# Altium PCB UmTRXv21.PcbDoc (part 3 of 19) (continued)
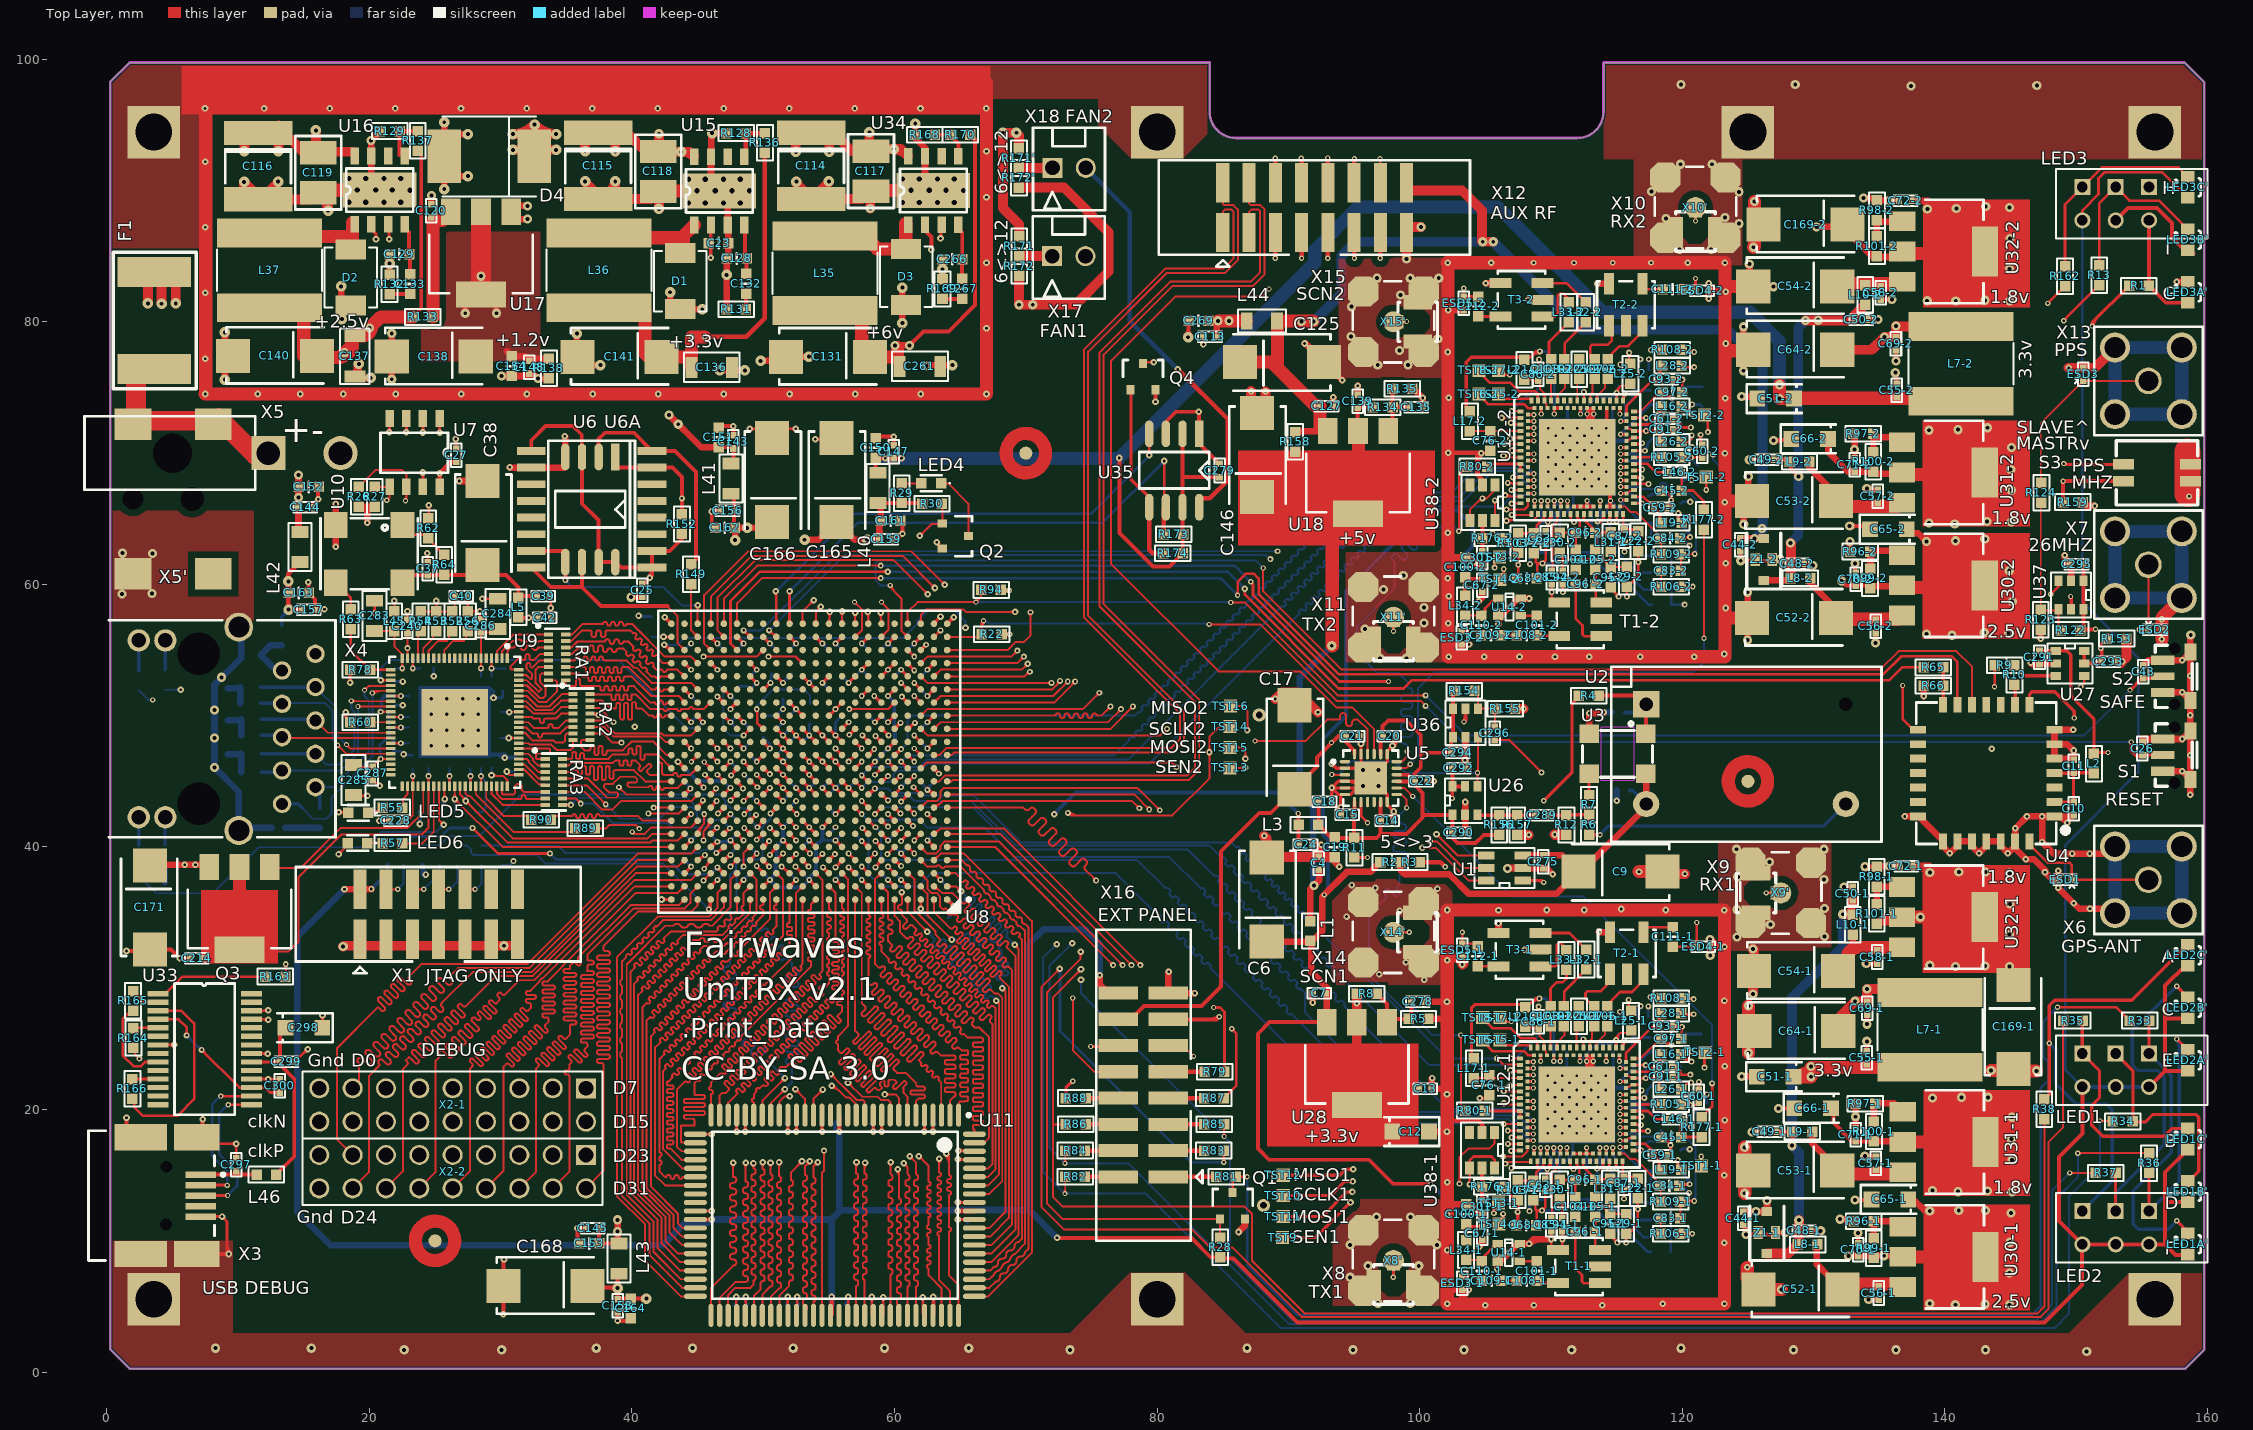
[diagram p0: Top Layer view]
## Nets (pads, with @x,y where several pads share a name; then routed paths per layer and width w, separated by ;. In a path a pad name is that pad's centre, name@x,y a point inside that pad or via, vN(x,y) a via of type N, cw(c..) or ccw(c..) an arc to the next point about the centre after c; other vN are vias at no path point) (continued)
  Bottom Layer w0.2: v2@43.5,46.35 cw(c43.5,45.988) 43.756,46.244 cw(c44.012,46.5) v2@43.65,46.5 ; v2(43.5,46.5) C212.2@44,46 ; C185.2@44,39 v1(44.5,38.5) ; C209.2@44,42 v1(44.5,42.5) ; C186.2@44,54 v1(44.5,53.5) ; v1@44.375,38.5 ccw(c44.073,38.5) 44.287,38.713 ccw(c44.5,38.927) v1@44.5,38.625 ; v1@44.375,42.5 cw(c44.073,42.5) 44.287,42.287 cw(c44.5,42.073) v1@44.5,42.375 ; v1@44.375,53.5 ccw(c44.073,53.5) 44.287,53.713 ccw(c44.5,53.927) v1@44.5,53.625 ; v1(44.5,49.5) C211.2@45,50 ; v1@44.5,49.625 ccw(c44.5,49.927) 44.713,49.713 ccw(c44.927,49.5) v1@44.625,49.5 ; C208.2@46,40.9 v1(46.5,40.4) v1@46.5,40.5 ; v1@46.375,40.4 ccw(c46.073,40.4) 46.286,40.613 ccw(c46.5,40.827) v1@46.5,40.525 ; v1(46.5,37.5) C176.2@47,38 ; v1@46.5,37.625 ccw(c46.5,37.927) 46.713,37.713 ccw(c46.927,37.5) v1@46.625,37.5 ; C210.2@47,45 v1(47.5,44.5) ; C213.2@47,48 v1(47.5,47.5) ; v1@47.375,44.5 ccw(c47.073,44.5) 47.287,44.713 ccw(c47.5,44.927) v1@47.5,44.625 ; v1@47.375,47.5 ccw(c47.073,47.5) 47.287,47.713 ccw(c47.5,47.927) v1@47.5,47.625 ; v1(47.5,40.5) C184.2@48,41 ; v1@47.5,40.625 ccw(c47.5,40.927) 47.713,40.713 ccw(c47.927,40.5) v1@47.625,40.5 ; v1@47.5,51.375 cw(c47.5,51.073) 47.713,51.287 cw(c47.927,51.5) v1@47.625,51.5 ; v1(47.5,51.5) C177.2@48,51 ; v1@48.5,46.375 cw(c48.5,46.073) 48.713,46.287 cw(c48.927,46.5) v1@48.625,46.5 ; v1(48.5,46.5) C172.2@49,46 ; C187.2@50,38 v1(50.5,37.5) ; v1@50.375,37.5 ccw(c50.073,37.5) 50.287,37.713 ccw(c50.5,37.927) v1@50.5,37.625 ; v1@51.5,40.375 cw(c51.5,40.073) 51.713,40.287 cw(c51.927,40.5) v1@51.625,40.5 ; v1(51.5,40.5) C183.2@52,40 ; v1(51.5,41.5) C206.2@52,42 ; v1@51.5,41.625 ccw(c51.5,41.927) 51.713,41.713 ccw(c51.927,41.5) v1@51.625,41.5 ; C188.2@53,38 v1(53.5,37.5) ; v1@53.375,37.5 ccw(c53.073,37.5) 53.287,37.713 ccw(c53.5,37.927) v1@53.5,37.625 ; 54.5,40.575 54.575,40.5 v1(55.5,40.5) C204.2@56,41 ; v1(54.5,41.5) C182.2@55,42 ; v1@54.5,41.625 ccw(c54.5,41.927) 54.713,41.713 ccw(c54.927,41.5) v1@54.625,41.5 ; v1@55.412,40.412 ccw(c55.198,40.198) 55.198,40.5 ccw(c55.198,40.802) v1@55.412,40.588 ; v1@55.5,40.625 ccw(c55.5,40.927) 55.713,40.713 ccw(c55.927,40.5) v1@55.625,40.5 ; C189.2@57,38 v1(57.5,37.5) ; v1@57.375,37.5 ccw(c57.073,37.5) 57.287,37.713 ccw(c57.5,37.927) v1@57.5,37.625 ; v1(58.5,46.5) C175.2@59,47 v1(59.5,47.5) ; v1@58.5,46.625 ccw(c58.5,46.927) 58.713,46.713 ccw(c58.927,46.5) v1@58.625,46.5 ; v1@59.375,47.5 cw(c59.073,47.5) 59.287,47.287 cw(c59.5,47.073) v1@59.5,47.375 ; v1(59.5,40.5) C193.2@60,41 ; v1@59.5,40.625 ccw(c59.5,40.927) 59.713,40.713 ccw(c59.927,40.5) v1@59.625,40.5 ; v1(59.5,51.5) C178.2@60,52 ; v1@59.5,51.625 ccw(c59.5,51.927) 59.713,51.713 ccw(c59.927,51.5) v1@59.625,51.5 ; C190.2@60,38 v1(60.5,37.5) ; v1@60.375,37.5 ccw(c60.073,37.5) 60.287,37.713 ccw(c60.5,37.927) v1@60.5,37.625 ; v1(60.5,40.45) 60.5,40.5 C181.2@61,41 ; v1@60.5,44.5 v1(60.5,44.55) C205.2@61,45.05 ; v1@60.5,44.675 ccw(c60.5,44.977) 60.713,44.763 ccw(c60.927,44.55) v1@60.625,44.55 ; v1@60.625,40.45 cw(c61.047,40.45) 60.749,40.749 ; C192.2@62,49 v1(62.5,49.5) ; C207.2@62,53 v1(62.5,53.5) ; v1@62.375,49.5 cw(c62.073,49.5) 62.287,49.287 cw(c62.5,49.073) v1@62.5,49.375 ; v1@62.375,53.5 cw(c62.073,53.5) 62.287,53.287 cw(c62.5,53.073) v1@62.5,53.375 ; v1@62.5,42.375 cw(c62.5,42.073) 62.714,42.286 ; v1(62.5,42.5) C180.2@63,42 ; v1@62.625,42.5 ccw(c62.926,42.5) 62.713,42.287 ; C179.2@62.9,46.05 63.373,45.577 v1(63.378,45.577) ; C179.2@63.156,45.794 ccw(c63.378,46.017) v1@63.378,45.702 ; C179.2@63.168,45.782 cw(c62.964,45.577) v1@63.253,45.577 ; v1@63.5,37.375 cw(c63.5,37.073) 63.713,37.287 cw(c63.927,37.5) v1@63.625,37.5 ; v1(63.5,37.5) C191.2@64,37
  Bottom Layer w0.3: C212.2@44,46 44.975,45.025 46.975,45.025 C210.2@47,45 ; v1(46.5,40.4) 47.4,40.4 v1(47.5,40.5) ; 47.077,40.4 ccw(c47.077,40.923) v1@47.447,40.553 ; v1(51.5,41.5) v1(51.5,40.5) 51.025,40.025 51.025,38.797 50.925,38.697 50.925,37.925 v1(50.5,37.5) 51.1,36.9 52.9,36.9 v1(53.5,37.5) ; v1@53.5,37.65 54.025,38.175 54.025,40.1 54.5,40.575 v1(54.5,41.5) ; v1@53.575,37.5 cw(c54.118,37.5) 53.734,37.884 ; v1(59.5,47.5) 60.025,48.025 60.025,48.697 59.975,48.747 59.975,51.025 v1(59.5,51.5) ; v2(72.15,42.5) 73.8,44.15 89.15,44.15 v4(90.75,42.55)
+2,5VLMS-1: C65-1.1 C68-1.1 C70-1.1 L13-1.1 R99-1.2 R103-1.1 R176-1.1 U12-1.66 U12-1.76 U30-1.2 | length 77.7
  Top Layer w0.2: C68-1.1@107.357,11.188 C68-1.1@107.461,11.292 ; v4(115.257,18.638) U12-1.66@115.707,18.638 ; v4(115.257,21.138) U12-1.76@115.707,21.138 ; v4@115.328,18.567 cw(c115.498,18.397) 115.498,18.638 cw(c115.498,18.879) v4@115.328,18.709 ; v4@115.328,21.067 cw(c115.498,20.897) 115.498,21.138 cw(c115.498,21.379) v4@115.328,21.209
  Top Layer w0.25: R176-1.1@106.25,14.125 107.267,13.108 R103-1.1@107.461,13.108 v1(107.461,12.208) C68-1.1@107.461,11.292 ; v1@107.39,12.138 cw(c107.22,11.967) 107.461,11.967 cw(c107.702,11.967) v1@107.532,12.138 ; v1@107.39,12.279 ccw(c107.22,12.45) 107.461,12.45 ccw(c107.702,12.45) v1@107.532,12.279
  Top Layer w0.3: C70-1.1@133.4,8.9 R99-1.2@134.308,8.9
  Top Layer w0.5: v3@132.65,8.866 v3(135.35,8.866) 136.705,8.866 U30-1.2@136.79,8.781 ; C65-1.1@137.2,13.1 137.65,13.1 138.35,12.4 ccw(c138.592,12.642) v3@138.788,12.362 ; 138.034,12.716 ccw(c138.846,13.528) v3@138.846,12.38 ; U30-1.2@143.09,8.781 U30-1.2@143.952,8.781 ; v3@144.931,9.995 cw(c144.702,11.031) 143.952,10.281 144.271,9.962 145.174,9.059 cw(c145.663,9.548) v3@145.043,9.853
  Top Layer w1: U30-1.2@136.79,8.781 U30-1.2@143.09,8.781
  Mid-Layer 2 w0.2: v4(115.257,18.638) 115.962,18.638 115.987,18.613 ; v4(115.257,21.138) 115.26,21.135 115.71,21.135 115.987,20.858 115.987,18.613 ; v4@115.328,18.567 cw(c115.498,18.397) 115.498,18.638 cw(c115.498,18.879) v4@115.328,18.709 ; v4@115.328,21.067 cw(c115.491,20.904) 115.491,21.135 ; v4@115.328,21.209 ccw(c115.506,21.387) 115.506,21.135 ; 117.8,11.53 117.808,11.538 117.808,16.792 115.987,18.613
  Mid-Layer 2 w0.25: v4(120.625,21.175) 121.111,20.689 121.111,17.914 122.55,16.475 122.55,11.53
  Mid-Layer 2 w0.5: v1(107.461,12.208) 108.139,11.53 117.8,11.53 122.545,11.53 ; 122.55,11.53 122.545,11.53 ; v3@135.4,8.85 v3(132.65,8.85) 125.225,8.85 122.545,11.53
  Bottom Layer w0.25: L13-1.1@119.907,20.988 120.094,21.175 v4(120.625,21.175)
  other v3: 140.795,5.133 144.91,5.133 143.047,5.176 138.846,5.22 144.91,7.559 144.953,9.898 145.025,12.125 138.846,12.28 141.055,12.323 143.09,12.323
+2,5VLMS-2: C65-2.1 C68-2.1 C70-2.1 L13-2.1 R99-2.2 R103-2.1 R176-2.1 U12-2.66 U12-2.76 U30-2.2 | length 73.5
  Top Layer w0.2: R176-2.1@106.275,63.525 106.375,63.525 R103-2.1@107.5,62.4 v1(107.5,61.5) 107.5,60.584 C68-2.1@107.396,60.48 ; v1@107.412,61.412 cw(c107.198,61.198) 107.5,61.198 cw(c107.802,61.198) v1@107.588,61.412 ; v1@107.412,61.588 ccw(c107.198,61.802) 107.5,61.802 ccw(c107.802,61.802) v1@107.588,61.588 ; v4(115.296,67.93) U12-2.66@115.746,67.93 ; v4(115.296,70.43) U12-2.76@115.746,70.43 ; v4@115.367,67.859 cw(c115.537,67.688) 115.537,67.93 cw(c115.537,68.171) v4@115.367,68.001 ; v4@115.367,70.359 cw(c115.537,70.188) 115.537,70.43 cw(c115.537,70.671) v4@115.367,70.501
  Top Layer w0.3: v3@132.125,60.075 cw(c132.125,59.592) 132.466,59.934 cw(c132.808,60.275) v3@132.325,60.275 ; v3(132.125,60.275) 132.489,59.911 134.3,59.911 R99-2.2@134.534,59.911
  Top Layer w0.5: R99-2.2@134.334,59.861 136.455,59.861 U30-2.2@136.54,59.776 ; C65-2.1@137.1,64.2 137.4,63.9 137.971,63.9 v3(138.596,63.275) ; U30-2.2@143.04,59.926 143.902,59.926 v3(145.124,58.704)
  Top Layer w1: U30-2.2@136.54,59.776 U30-2.2@142.84,59.776
  Mid-Layer 2 w0.2: v4(115.296,67.93) 116.119,67.93 116.129,67.94 ; v4(115.296,70.43) 115.945,70.43 116.129,70.246 116.129,67.94 ; v4@115.367,67.859 cw(c115.537,67.688) 115.537,67.93 cw(c115.537,68.171) v4@115.367,68.001 ; v4@115.367,70.359 cw(c115.537,70.188) 115.537,70.43 cw(c115.537,70.671) v4@115.367,70.501 ; 117.646,60.822 117.62,60.848 117.62,66.449 116.129,67.94
  Mid-Layer 2 w0.25: v1@120.75,70.35 cw(c120.75,70.109) 120.921,70.279 cw(c121.091,70.45) v1@120.85,70.45 ; v1(120.75,70.45) 121.237,69.963 121.237,64.588 121.645,64.18 121.645,60.822
  Mid-Layer 2 w0.5: v1@107.475,61.5 ccw(c108.318,61.5) 107.722,60.904 ; v1@107.481,61.516 ccw(c107.706,61.331) 107.5,61.126 ; v1(107.5,61.5) 107.5,61.126 ; v3@132.125,60.3 132.1,60.3 122.167,60.3 121.645,60.822 117.646,60.822 107.804,60.822 107.5,61.126
  Mid-Layer 2 w0.7: v3@132.1,60.3 v3(132.125,60.275)
  Bottom Layer w0.25: L13-2.1@119.946,70.28 120.58,70.28 v1(120.75,70.45) ; L13-2.1@120.098,70.28 ccw(c120.098,71.102) v1@120.679,70.521
  other v3: 140.545,56.129 138.596,56.215 144.86,56.279 142.997,56.322 144.903,61.043 140.805,63.319 143.04,63.469
+2,5VRAM: C158.1 C164.1 C168.1 C215.2 C216.2 C217.2 C218.2 C219.2 C220.2 C221.2 C222.2 L43.2 U11.4 U11.11 U11.20 U11.27 U11.54 U11.61 U11.70 U11.77 U11.97 | length 35.5
  Top Layer w0.2: v2@47.844,5.644 cw(c47.588,5.388) 47.95,5.388 cw(c48.312,5.388) v2@48.056,5.644 ; v2@47.869,18.431 ccw(c47.613,18.687) 47.975,18.687 ccw(c48.337,18.687) v2@48.081,18.431 ; v2(47.95,5.75) 47.95,4.35 U11.54@47.975,4.325 ; v2(47.975,18.325) U11.27@47.975,19.575 ; v2@52.419,18.431 ccw(c52.163,18.687) 52.525,18.687 ccw(c52.887,18.687) v2@52.631,18.431 ; v2@52.469,5.644 cw(c52.213,5.388) 52.575,5.388 cw(c52.937,5.388) v2@52.681,5.644 ; U11.61@52.525,4.325 52.575,4.375 v2(52.575,5.75) ; v2(52.525,18.325) U11.20@52.525,19.575 ; v2@58.169,5.619 cw(c57.913,5.363) 58.275,5.363 cw(c58.637,5.363) v2@58.381,5.619 ; v2@58.269,18.431 ccw(c58.013,18.687) 58.375,18.687 ccw(c58.737,18.687) v2@58.481,18.431 ; v2(58.275,5.725) 58.275,4.425 U11.70@58.375,4.325 ; v2(58.375,18.325) U11.11@58.375,19.575 ; v2@62.819,18.431 ccw(c62.563,18.687) 62.925,18.687 ccw(c63.287,18.687) v2@63.031,18.431 ; v2(62.925,18.325) U11.4@62.925,19.575 ; v2(64.825,16.2) U11.97@66.075,16.2 ; v2@64.931,16.094 cw(c65.187,15.838) 65.187,16.2 cw(c65.187,16.562) v2@64.931,16.306
  Top Layer w0.3: C168.1@36.6,6.55 36.7,6.45 v5@38.9,6.45 ; 38.176,6.45 cw(c38.176,5.676) 38.723,6.223 cw(c38.296,5.796) 38.9,5.796 cw(c39.504,5.796) v5@39.077,6.223 ; 38.417,6.45 ccw(c38.417,6.883) 38.723,6.577 ccw(c38.296,7.004) 38.9,7.004 ccw(c39.504,7.004) v5@39.077,6.577 ; L43.2@39,7.5 38.9,7.4 C158.1@38.9,5.55 38.95,5.6 C164.1@39.9,5.6 40,5.6 v5(41.1,5.6) ; v5@40.923,5.423 ccw(c40.496,4.996) 40.496,5.6 ccw(c40.496,6.204) v5@40.923,5.777 ; U11.77@62.95,4.5 v2(62.95,5.725)
  Bottom Layer w0.2: C219.2@47.8,5.15 47.95,5.3 v2(47.95,5.75) ; C218.2@47.8,18.95 47.975,18.775 v2(47.975,18.325) ; v2@47.844,5.644 cw(c47.588,5.388) 47.95,5.388 cw(c48.312,5.388) v2@48.056,5.644 ; v2@47.869,18.431 ccw(c47.613,18.687) 47.975,18.687 ccw(c48.337,18.687) v2@48.081,18.431 ; v2@52.419,18.431 ccw(c52.163,18.687) 52.525,18.687 ccw(c52.887,18.687) v2@52.631,18.431 ; v2@52.469,5.644 cw(c52.213,5.388) 52.575,5.388 cw(c52.937,5.388) v2@52.681,5.644 ; v2(52.525,18.325) 52.525,18.775 C217.2@52.7,18.95 ; v2(52.575,5.75) 52.575,5.325 C220.2@52.75,5.15 ; C216.2@58.15,18.95 58.375,18.725 v2(58.375,18.325) ; v2@58.169,5.619 cw(c57.913,5.363) 58.275,5.363 cw(c58.637,5.363) v2@58.381,5.619 ; v2@58.269,18.431 ccw(c58.013,18.687) 58.375,18.687 ccw(c58.737,18.687) v2@58.481,18.431 ; C221.2@58.275,5.125 v2(58.275,5.725)
  Bottom Layer w0.3: v2(62.925,18.325) 62.925,18.75 C215.2@63.1,18.925 ; C222.2@62.95,5.1 v2(62.95,5.725)
  other v5: 38.9,6.4
+3,3V1: C51-1.1 C51-2.1 C55-1.1 C55-2.1 C136.1 C141.1 C147.1 C150.1 C279.1 L7-1.1 L7-2.1 L36.2 L40.1 R136.1 R173.1 R174.1 U35.2 U35.7 | length 251.6
  Top Layer w0.3: L40.1@58.75,68.5 58.55,68.7 C150.1@58.55,69.65 58.6,69.6 v2(59.3,69.6) C147.1@59.95,69.6 v2(60.525,69.6) ; v2(77.125,69.625) 77.125,63.9 79.675,61.35 80.925,61.35 R174.1@81.95,62.375 R173.1@81.95,63.725 ; R173.1@81.935,63.825 U35.7@81.935,65.878 81.935,68.175 ; U35.2@81.935,71.466 81.935,68.175 ; C279.1@84.75,68.175 81.935,68.175
  Top Layer w0.35: v2(45.55,78.85) 48.7,78.85 50.125,80.275 R136.1@50.125,92.875
  Top Layer w1: L36.2@37.575,81.075 40.725,81.075 41,80.8 41,77.575 C141.1@41.25,77.325 ; C141.1@42.25,77.325 44.475,77.325 ; C136.1@44.525,76.525 44.525,78.825 v2(44.55,78.85) v2(45.55,78.85) ; v3(127.4,75.2) v3(127.4,74.15) C51-2.1@128.5,74.15 ; C51-2.1@128.5,74.175 140.725,74.175 140.725,73.45 L7-2.1@141.225,73.95 ; 129.152,22.704 cw(c129.425,21.8) v3@129.871,22.632 ; v3@129.65,22.493 cw(c130.556,22.536) v3@129.949,23.209 ; v3@129.694,22.606 cw(c131.128,21.172) 131.128,23.2 ; v3@129.916,23.18 cw(c128.475,24.367) C51-1.1@128.475,22.5 v3(129.8,22.5) 129.8,23.2 L7-1.1@140.65,23.2
  Mid-Layer 2 w1: v2(44.55,78.85) v2(45.55,78.85) 50.25,78.85 v2@59.5,69.6 ; v2(59.3,69.6) v2@59.5,69.6 ; v2(60.525,69.6) v2@59.5,69.6
  MidLayer1 w1: v3(127.4,75.2) v3(127.4,74.15) 130.025,71.525 130.025,63.775 131.075,62.725 131.075,53.45 129.8,52.175 v3(129.8,23.275) v3(129.8,22.5)
  Bottom Layer w1: v2(59.3,69.6) 77.1,69.6 v2(77.125,69.625) 92,84.5 92,85.45 95.3,88.75 105.95,88.75 113.975,80.725 125.175,80.725 127.4,78.5 127.4,74.5 ; v3(127.4,74.15) v3(127.4,75.2)
+3,3VCC: C12.1 C13.1 C291.1 L2.2 R3.1 R8.2 U27.1 U28.2 | length 103.9
  Top Layer w0.25: C291.1@147.205,54.938 147.206,54.939 U27.1@148.445,54.939 149.286,54.939 149.575,54.65 149.575,51.525 151.35,49.75 151.35,47.2 v4(152.425,47.2)
  Top Layer w0.35: U28.2@95.207,20.354 96.428,21.575 C13.1@99.925,21.575 ; R3.1@100,38.85 101.6,38.85 v4(101.95,38.5)
  Top Layer w0.75: U28.2@93.75,20.3 U28.2@95.207,20.3 ; R8.2@95.207,28.825 v2(95.207,28.1) U28.2@95.207,26.654 U28.2@95.207,20.354 ; C12.1@98.05,18.1 U28.2@95.85,20.3 ; 98.45,20.3 U28.2@95.85,20.3 ; U28.2@95.207,20.3 U28.2@95.85,20.3 ; U28.2@95.207,20.3 U28.2@95.207,20.354 ; U28.2@95.207,20.354 95.796,20.354 U28.2@95.85,20.3
  Mid-Layer 2 w0.35: v2(95.207,28.1) 95.207,32.657 99.875,37.325 100.775,37.325 v4(101.95,38.5) 107.65,44.2 111.525,44.2 112.25,44.925 150.15,44.925 v4(152.425,47.2)
+3,3VETH: C37.1 C38.1 C39.1 L5.1 R64.2 U10.4 | length 12.6
  Top Layer w0.15: U10.4@21.94,60.1 U10.4@22.59,59.45
  Top Layer w0.3: U10.4@22.515,60.125 23.09,60.7 30.4,60.7 31.35,59.75 L5.1@31.35,59 31.45,59.1 C39.1@32.75,59.1
+3,3VFPGA: C25.1 C27.2 C42.1 C159.1 C161.1 C165.1 C174.2 C194.2 C196.2 C197.2 C198.2 C199.2 C200.2 C201.2 C202.2 C203.2 C223.2 C224.2 C225.2 C227.2 C246.1 C247.1 C248.1 C249.1 C250.1 C251.1 C252.1 C254.1 C255.1 C256.1 C257.1 C258.1 C259.1 L5.2 L40.2 LED1.4 LED1.5 LED1.6 LED1A'.2 LED1B'.2 LED1C'.2 LED2.4 LED2.5 LED2.6 LED2A'.2 LED2B'.2 LED2C'.2 LED3.4 LED3C'.2 R18.1 R19.1 R21.1 R22.1 R26.1 R27.1 R28.1 R29.1 R30.1 R31.2 R94.1 R152.1 U6.3 U6.7 U6.8 U6A.1 U6A.2 U6A.9 U7.8 U8.AA3 U8.AA7 U8.AA11 U8.AA15 U8.AA19 U8.D16 U8.F11 U8.G12 U8.H9 U8.H15 U8.K15 U8.L8 U8.M15 U8.N8 U8.R6 U8.R10 U8.R12 U8.R17 U8.T9 U8.T13 U8.U11 U8.V6 U8.V8 U8.V12 U8.V16 U8.W5 U11.15 U11.41 U11.65 U11.91 X1.2 X16.16 | length 520.8
  Top Layer w0.2: U8.AA19@46,55.85 cw(c46,55.488) 46.256,55.744 cw(c46.512,56) U8.AA19@46.15,56 ; U8.AA19@46,56 v1(46.5,55.5) ; v1@46.375,55.5 ccw(c46.073,55.5) 46.287,55.713 ccw(c46.5,55.927) v1@46.5,55.625 ; U8.R17@48,49.85 cw(c48,49.488) 48.256,49.744 cw(c48.512,50) U8.R17@48.15,50 ; U8.R17@48,50 v1(48.5,49.5) ; v1@48.375,49.5 ccw(c48.073,49.5) 48.287,49.713 ccw(c48.5,49.927) v1@48.5,49.625 ; U8.D16@49,39 v1(49.5,39.5) ; U8.D16@49,39.15 ccw(c49,39.512) 49.256,39.256 ccw(c49.512,39) U8.D16@49.15,39 ; U8.V16@49,52.85 cw(c49,52.488) 49.256,52.744 cw(c49.512,53) U8.V16@49.15,53 ; U8.V16@49,53 v1(49.5,52.5) ; v1@49.375,39.5 cw(c49.073,39.5) 49.287,39.287 cw(c49.5,39.073) v1@49.5,39.375 ; v1@49.375,52.5 ccw(c49.073,52.5) 49.287,52.713 ccw(c49.5,52.927) v1@49.5,52.625 ; v1@49.5,43.375 cw(c49.5,43.073) 49.713,43.287 cw(c49.927,43.5) v1@49.625,43.5 ; v1(49.5,43.5) U8.H15@50,43 ; v1@49.5,45.375 cw(c49.5,45.073) 49.713,45.287 cw(c49.927,45.5) v1@49.625,45.5 ; v1(49.5,45.5) U8.K15@50,45 ; v1(49.5,46.5) U8.M15@50,47 ; v1@49.5,46.625 ccw(c49.5,46.927) 49.713,46.713 ccw(c49.927,46.5) v1@49.625,46.5 ; U8.H15@49.85,43 ccw(c49.488,43) 49.744,43.256 ccw(c50,43.512) U8.H15@50,43.15 ; U8.K15@49.85,45 ccw(c49.488,45) 49.744,45.256 ccw(c50,45.512) U8.K15@50,45.15 ; U8.M15@49.85,47 cw(c49.488,47) 49.744,46.744 cw(c50,46.488) U8.M15@50,46.85 ; U8.AA15@50,55.85 cw(c50,55.488) 50.256,55.744 cw(c50.512,56) U8.AA15@50.15,56 ; U8.AA15@50,56 v1(50.5,55.5) ; v1@50.375,55.5 ccw(c50.073,55.5) 50.287,55.713 ccw(c50.5,55.927) v1@50.5,55.625 ; U8.T13@52,50.85 cw(c52,50.488) 52.256,50.744 cw(c52.512,51) U8.T13@52.15,51 ; U8.T13@52,51 v1(52.5,50.5) ; v1@52.375,50.5 ccw(c52.073,50.5) 52.287,50.713 ccw(c52.5,50.927) v1@52.5,50.625 ; v1@52.5,50.375 cw(c52.5,50.073) 52.713,50.287 cw(c52.927,50.5) v1@52.625,50.5 ; v1(52.5,50.5) U8.R12@53,50 ; U8.R12@52.85,50 ccw(c52.488,50) 52.744,50.256 ccw(c53,50.512) U8.R12@53,50.15 ; U8.G12@53,41.85 cw(c53,41.488) 53.256,41.744 cw(c53.512,42) U8.G12@53.15,42 ; U8.G12@53,42 v1(53.5,41.5) U8.F11@54,41 ; U8.V12@53,52.85 cw(c53,52.488) 53.256,52.744 cw(c53.512,53) U8.V12@53.15,53 ; U8.V12@53,53 v1(53.5,52.5) U8.U11@54,52 ; v1@53.375,41.5 ccw(c53.073,41.5) 53.287,41.713 ccw(c53.5,41.927) v1@53.5,41.625 ; v1@53.375,52.5 ccw(c53.073,52.5) 53.287,52.713 ccw(c53.5,52.927) v1@53.5,52.625 ; v1@53.5,41.375 cw(c53.5,41.073) 53.713,41.287 cw(c53.927,41.5) v1@53.625,41.5 ; v1@53.5,52.375 cw(c53.5,52.073) 53.713,52.287 cw(c53.927,52.5) v1@53.625,52.5 ; U8.F11@53.85,41 ccw(c53.488,41) 53.744,41.256 ccw(c54,41.512) U8.F11@54,41.15 ; U8.U11@53.85,52 ccw(c53.488,52) 53.744,52.256 ccw(c54,52.512) U8.U11@54,52.15 ; U8.AA11@54,55.85 cw(c54,55.488) 54.256,55.744 cw(c54.512,56) U8.AA11@54.15,56 ; U8.AA11@54,56 v1(54.5,55.5) ; v1@54.375,55.5 ccw(c54.073,55.5) 54.287,55.713 ccw(c54.5,55.927) v1@54.5,55.625 ; U8.R10@55,50 v1(55.5,50.5) U8.T9@56,51 ; U8.R10@55,50.15 ccw(c55,50.512) 55.256,50.256 ccw(c55.512,50) U8.R10@55.15,50 ; v1@55.375,50.5 cw(c55.073,50.5) 55.287,50.287 cw(c55.5,50.073) v1@55.5,50.375 ; v1(55.5,42.5) U8.H9@56,43 ; v1@55.5,42.625 ccw(c55.5,42.927) 55.713,42.713 ccw(c55.927,42.5) v1@55.625,42.5 ; v1@55.5,50.625 ccw(c55.5,50.927) 55.713,50.713 ccw(c55.927,50.5) v1@55.625,50.5 ; U8.H9@55.85,43 cw(c55.488,43) 55.744,42.744 cw(c56,42.488) U8.H9@56,42.85 ; U8.T9@55.85,51 cw(c55.488,51) 55.744,50.744 cw(c56,50.488) U8.T9@56,50.85 ; v1(56.5,52.5) U8.V8@57,53 ; v1@56.5,52.625 ccw(c56.5,52.927) 56.713,52.713 ccw(c56.927,52.5) v1@56.625,52.5 ; U8.V8@56.85,53 cw(c56.488,53) 56.744,52.744 cw(c57,52.488) U8.V8@57,52.85 ; U8.L8@57,46 v1(57.5,46.5) ; U8.L8@57,46.15 ccw(c57,46.512) 57.256,46.256 ccw(c57.512,46) U8.L8@57.15,46 ; U8.N8@57,47.85 cw(c57,47.488) 57.256,47.744 cw(c57.512,48) U8.N8@57.15,48 ; U8.N8@57,48 v1(57.5,47.5) ; v1@57.375,46.5 cw(c57.073,46.5) 57.287,46.287 cw(c57.5,46.073) v1@57.5,46.375 ; v1@57.375,47.5 ccw(c57.073,47.5) 57.287,47.713 ccw(c57.5,47.927) v1@57.5,47.625 ; v1(57.5,55.5) U8.AA7@58,56 ; v1@57.5,55.625 ccw(c57.5,55.927) 57.713,55.713 ccw(c57.927,55.5) v1@57.625,55.5 ; U8.AA7@57.85,56 cw(c57.488,56) 57.744,55.744 cw(c58,55.488) U8.AA7@58,55.85 ; v1(58.5,49.5) U8.R6@59,50 ; v1@58.5,49.625 ccw(c58.5,49.927) 58.713,49.713 ccw(c58.927,49.5) v1@58.625,49.5 ; U8.R6@58.85,50 cw(c58.488,50) 58.744,49.744 cw(c59,49.488) U8.R6@59,49.85 ; U8.V6@59,53 v1(59.5,53.5) U8.W5@60,54 ; U8.V6@59,53.15 ccw(c59,53.512) 59.256,53.256 ccw(c59.512,53) U8.V6@59.15,53 ; v1@59.375,53.5 cw(c59.073,53.5) 59.287,53.287 cw(c59.5,53.073) v1@59.5,53.375 ; v1@59.5,53.625 ccw(c59.5,53.927) 59.713,53.713 ccw(c59.927,53.5) v1@59.625,53.5 ; U8.W5@59.85,54 cw(c59.488,54) 59.744,53.744 cw(c60,53.488) U8.W5@60,53.85 ; v1(61.5,55.5) U8.AA3@62,56 ; v1@61.5,55.625 ccw(c61.5,55.927) 61.713,55.713 ccw(c61.927,55.5) v1@61.625,55.5 ; U8.AA3@61.85,56 cw(c61.488,56) 61.744,55.744 cw(c62,55.488) U8.AA3@62,55.85 ; LED3.4@150.425,87.685 LED3.4@150.47,87.73 150.47,88.495 151.7,89.725 151.7,90.925 152.175,91.4 156.55,91.4 LED3C'.2@158.5,89.45
  Top Layer w0.3: L5.2@31.35,57.5 31.4,57.45 v2(32.15,57.45) C42.1@32.85,57.45 ; U6A.9@32.325,70.17 32.325,70.975 33.425,72.075 35.5,72.075 36.175,71.4 U6.3@36.175,69.7 ; U6.3@36.19,69.7 36.19,66.19 36.175,66.175 37.46,64.89 U6.7@37.46,61.7 U6.8@38.73,61.7 39.15,61.28 U6A.1@41.525,61.28 ; C25.1@40.9,60.05 v2(41.35,60.5) 41.525,60.675 U6A.1@41.525,61.28 ; v2@41.279,60.571 ccw(c40.686,61.164) U6A.1@41.525,61.164 ; R152.1@43.8,63.85 43.8,63.475 42.875,62.55 U6A.2@41.525,62.55 U6A.1@41.525,61.28 ; U11.41@44.825,11.625 v2(46.075,11.625) ; L40.2@58.75,66.2 R29.1@60.55,66.2 62.05,66.2 R30.1@62.1,66.15 ; R94.1@68.1,59.575 68.15,59.525 v1(68.725,59.525) ; R22.1@68.15,56.2 v1(68.775,56.2) ; v2(72.375,10.225) 82.6,10.225 84.075,8.75 R28.1@84.8,8.75 ; R28.1@84.75,8.65 85.8,8.65 90.675,3.775 147.6,3.775 150.45,6.625 150.45,9.75 148.7,11.5 148.7,16.4 150.47,18.17 LED1.4@150.47,21.73 ; LED2.4@150.47,9.73 LED2.5@153.01,9.73 LED2.6@155.55,9.73 156.775,9.73 ; LED1.6@155.55,21.73 156.77,22.95 156.775,22.95 ; LED1B'.2@158.5,12.95 156.8,12.95 156.775,12.975 ; LED1C'.2@158.5,16.7 LED1C'.2@158.55,16.65 ; LED1C'.2@158.5,16.95 156.775,15.225 156.775,12.975 ; LED2A'.2@158.5,22.95 156.775,22.95 ; LED2B'.2@158.5,26.95 156.775,26.95 ; LED2C'.2@158.5,30.95 158.275,30.95 156.775,29.45 156.775,26.95 ; LED1A'.2@158.8,8.925 157.58,8.925 156.775,9.73 ; 156.775,9.73 156.775,12.975 ; 156.775,22.95 156.775,26.95
  Top Layer w0.35: U7.8@25.347,67.428 v2(25.347,68.472) 26.2,69.325 C27.2@26.625,69.325 ; U11.65@55.125,4.325 55.2,4.4 v2(55.2,5.75) ; v2(55.775,18.325) U11.15@55.775,19.575 ; v2(64.825,12.275) U11.91@66.075,12.275
  Top Layer w0.5: v2(18.1,36.775) X1.2@19.275,36.775 20.125,36.775 v1(20.15,36.8) ; R26.1@19.2,65.925 19.825,65.925 ; v2(19.825,64.7) 19.825,65.925 ; R27.1@20.4,65.925 19.825,65.925 ; v5(53.15,63.4) 54.225,63.4 C165.1@55.575,64.75 ; C165.1@55.675,64.675 56.95,63.4 v5(57.9,63.4) ; v5@57.9,63.445 C159.1@58.85,63.45 ; v5@58.007,63.295 cw(c58.372,62.933) 58.37,63.447 ; L40.2@58.75,66.2 58.95,66 C161.1@58.95,64.85 ; C161.1@58.842,64.95 58.843,64.849 C159.1@58.85,63.45 ; C159.1@58.9,63.45 C159.1@58.85,63.45 ; C159.1@58.9,63.5 C159.1@58.85,63.45 ; v2(75.625,30.225) 75.625,29.55 76.3,28.875 X16.16@77.05,28.875
  MidLayer1 w0.15: 57.05,47.75 57.1,47.8 57.1,48.75 57.5,49.15 58.05,49.15
  MidLayer1 w0.2: 47.8,55.95 47.85,56 49.25,56 ; 47.9,55.05 47.95,55 49,55 ; 49.05,47.05 49.05,48.05 ; v1(49.5,39.5) 49.524,39.5 50.024,40 54.025,40 54.375,40.35 54.375,40.625 v1(53.5,41.5) ; v1@49.5,39.625 ccw(c49.5,39.985) 49.755,39.731 ; v1(49.5,43.5) 50.05,44.05 ; v1@49.5,43.625 ccw(c49.5,43.927) 49.713,43.713 ccw(c49.927,43.5) v1@49.625,43.5 ; v1@49.5,45.375 cw(c49.5,45.073) 49.713,45.287 cw(c49.927,45.5) v1@49.625,45.5 ; v1(49.5,45.5) 50.05,44.95 50.05,44.05 ; v1@49.625,39.5 cw(c49.868,39.5) 49.696,39.672 ; 50.9,46.15 50.95,46.1 50.95,44 ; 50.9,48.15 50.95,48.1 50.95,46.95 ; 53.15,41.95 53.039,42.061 51.539,42.061 51.539,43 ; 53.2,43 51.539,43 ; v1@53.5,41.375 cw(c53.5,41.073) 53.713,41.287 cw(c53.927,41.5) v1@53.625,41.5 ; 55.9,49.1 56.05,48.95 56.05,48.1 56.15,48 ; 50.05,44.05 50.1,44 50.95,44 ; 50.95,44 50.95,43.241 51.191,43 51.539,43
  Bottom Layer w0.2: R19.1@30.1,38.6 30.65,38.6 v1(30.975,38.925) ; v1@30.85,38.925 cw(c30.548,38.925) 30.762,38.712 cw(c30.975,38.498) v1@30.975,38.8 ; v2(40.5,57.6) 40.6,57.6 40.65,57.55 R31.2@41.5,57.55 ; v2@40.606,57.706 ccw(c40.983,58.083) 40.983,57.55 ; v1@46.5,55.375 cw(c46.5,55.073) 46.713,55.287 cw(c46.927,55.5) v1@46.625,55.5 ; v1(46.5,55.5) C251.1@47,55 ; R21.1@48.15,52.25 48.75,52.25 C199.2@49,52 ; v1@48.5,49.375 cw(c48.5,49.073) 48.713,49.287 cw(c48.927,49.5) v1@48.625,49.5 ; v1(48.5,49.5) C174.2@49,49 ; C249.1@48.95,46.95 C249.1@49,47 v1(49.5,46.5) ; C194.2@49,40 v1(49.5,39.5) ; C250.1@49,44 v1(49.5,43.5) C248.1@50,43 ; v1@49.375,39.5 ccw(c49.073,39.5) 49.287,39.713 ccw(c49.5,39.927) v1@49.5,39.625 ; v1@49.375,43.5 ccw(c49.073,43.5) 49.287,43.713 ccw(c49.5,43.927) v1@49.5,43.625 ; v1@49.375,46.5 ccw(c49.073,46.5) 49.287,46.713 ccw(c49.5,46.927) v1@49.5,46.625 ; v1@49.375,52.5 cw(c49.073,52.5) 49.287,52.287 cw(c49.5,52.073) v1@49.5,52.375 ; v1@49.5,43.375 cw(c49.5,43.073) 49.713,43.287 cw(c49.927,43.5) v1@49.625,43.5 ; v1@49.5,45.375 cw(c49.5,45.073) 49.713,45.287 cw(c49.927,45.5) v1@49.625,45.5 ; v1(49.5,45.5) C197.2@50,45 ; v1(49.5,52.5) C199.2@49,52 ; v1@50.5,55.375 cw(c50.5,55.073) 50.713,55.287 cw(c50.927,55.5) v1@50.625,55.5 ; v1(50.5,55.5) C201.2@51,55 ; C257.1@52,50 v1(52.5,50.5) ; v1@52.375,50.5 cw(c52.073,50.5) 52.287,50.287 cw(c52.5,50.073) v1@52.5,50.375 ; C246.1@53,42 v1(53.5,41.5) ; v1@53.375,41.5 ccw(c53.073,41.5) 53.287,41.713 ccw(c53.5,41.927) v1@53.5,41.625 ; v1@53.5,52.375 cw(c53.5,52.073) 53.713,52.287 cw(c53.927,52.5) 53.625,52.5 cw(c53.927,52.5) 53.713,52.713 cw(c53.5,52.927) v1@53.5,52.625 ; C203.2@54,52 v1(53.5,52.5) C247.1@54,53 ; v1@54.5,55.375 cw(c54.5,55.073) 54.713,55.287 cw(c54.927,55.5) v1@54.625,55.5 ; v1(54.5,55.5) C252.1@55,55 ; C196.2@55,43 v1(55.5,42.5) ; C258.1@55,50 v1(55.5,50.5) ; v1@55.375,42.5 ccw(c55.073,42.5) 55.287,42.713 ccw(c55.5,42.927) v1@55.5,42.625 ; v1@55.375,50.5 cw(c55.073,50.5) 55.287,50.287 cw(c55.5,50.073) v1@55.5,50.375 ; C256.1@56,53 v1(56.5,52.5) ; v1@56.375,52.5 ccw(c56.073,52.5) 56.287,52.713 ccw(c56.5,52.927) v1@56.5,52.625 ; C200.2@57,46 v1(57.5,46.5) ; C255.1@57,48 v1(57.5,47.5) ; v1@57.375,46.5 cw(c57.073,46.5) 57.287,46.287 cw(c57.5,46.073) v1@57.5,46.375 ; v1@57.375,47.5 ccw(c57.073,47.5) 57.287,47.713 ccw(c57.5,47.927) v1@57.5,47.625 ; v1@57.5,55.375 cw(c57.5,55.073) 57.713,55.287 cw(c57.927,55.5) v1@57.625,55.5 ; v1(57.5,55.5) C202.2@58,55 ; C259.1@58,50 v1(58.5,49.5) ; v1@58.375,49.5 ccw(c58.073,49.5) 58.287,49.713 ccw(c58.5,49.927) v1@58.5,49.625 ; C198.2@59,53 v1(59.5,53.5) ; v1@59.375,53.5 cw(c59.073,53.5) 59.287,53.287 cw(c59.5,53.073) v1@59.5,53.375 ; C254.1@61,55 v1(61.5,55.5) ; v1@61.375,55.5 cw(c61.073,55.5) 61.287,55.287 cw(c61.5,55.073) v1@61.5,55.375 ; LED1.4@150.47,21.73 149.175,23.025 149.175,40.15 154.725,45.7 154.725,54.4 150.47,58.655 LED3.4@150.47,87.73 ; C199.2@49,52 49.05,52 C199.2@49,52
  Bottom Layer w0.3: v1@20.125,36.775 21.388,38.038 R18.1@21.388,38.671 ; LED2.4@150.47,9.73 LED2.5@153.01,9.73 LED2.6@155.55,9.73 ; LED1.4@150.47,21.73 LED1.5@153.01,21.73 LED1.6@155.55,21.73
  Bottom Layer w0.5: v1@20.125,36.775 v2(18.1,36.775) 14.5,33.175 14.5,12.2 17.05,9.65 42.325,9.65 44.075,11.4 C224.2@45.425,11.4 45.85,11.4 v2(46.075,11.625) ; C224.2@45.532,11.4 ccw(c45.532,12.168) v2(46.075,11.625) ; v2(55.2,5.75) C225.2@55.2,5.125 55.2,11.625 ; C223.2@55.575,18.808 ccw(c56.258,18.808) v2(55.775,18.325) ; C223.2@55.575,18.95 55.575,18.525 v2(55.775,18.325) ; 55.9,12.325 64.825,12.325 v2(64.825,12.275) 64.875,12.325 65.074,12.325 65.099,12.35 C227.2@65.55,12.35 70.25,12.35 ; v2(72.375,10.225) 70.25,12.35 ; v2(75.625,30.225) 75.625,32.6 74.5,33.725 71.35,33.725 70.25,32.625 70.25,12.35 ; v2(46.075,11.625) 55.2,11.625 ; 55.2,11.625 55.775,12.2 v2(55.775,18.325)